# Altium PCB systems_pcb.PcbDoc (part 1 of 2) (continued)
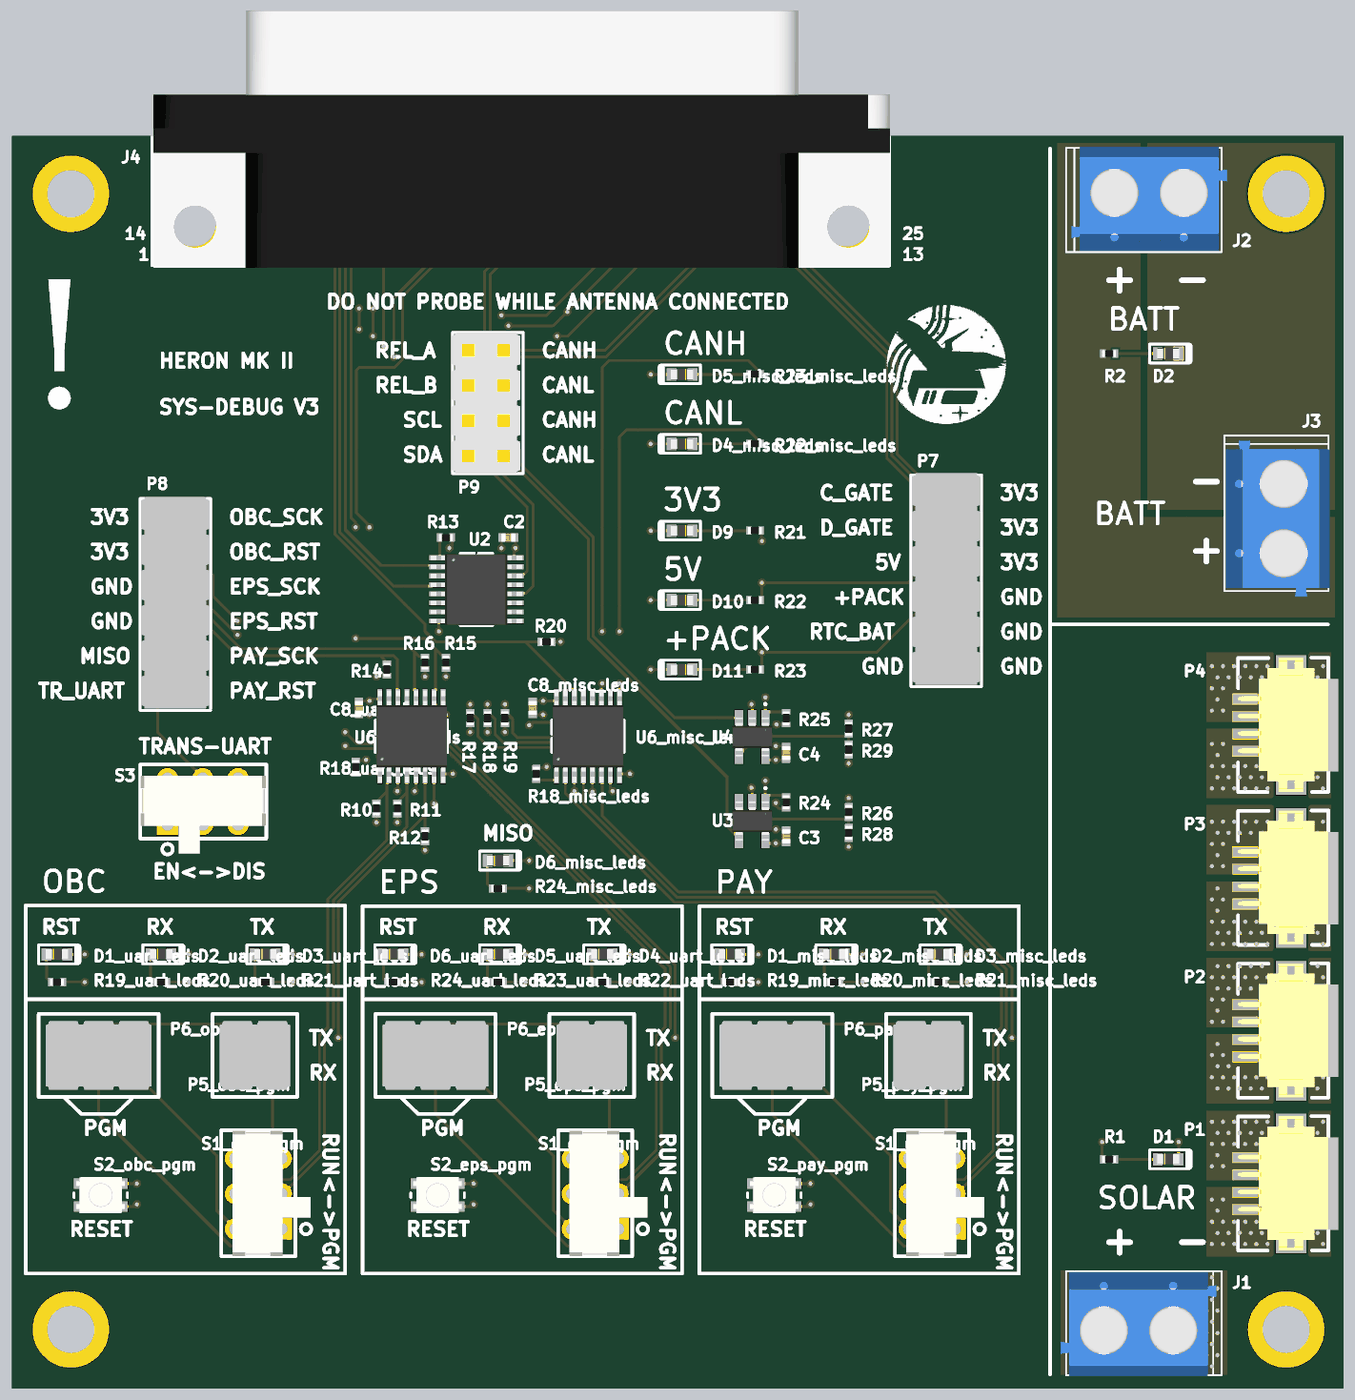
[diagram p5: 3D render of the assembled board from above, using the file's embedded part models]

## Layer stack, top to bottom
Top Solder: solder mask 0.0102, Solder Resist, Dk 3.5
TOP: signal copper 0.0356
Dielectric 1: core 0.254, FR-4, Dk 4.2
GND: signal copper 0.036
Dielectric 3: prepreg 0.127, Dk 4.2
VCC: signal copper 0.036
Dielectric 2: core 0.254, Dk 4.2
BOT: signal copper 0.0356
Bottom Solder: solder mask 0.0102, Solder Resist, Dk 3.5

## Board outline
0,0 95.885,0 95.885,90.17 0,90.17

## Design rules (kind name [scope] priority, off if disabled: settings)
AssemblyTestPointUsage [All] p1 off:
AssemblyTestpoint [All] p1 off: testpointundercomponent=TRUE minsize=1.016 maxsize=2.54 preferedsize=1.524 minholesize=0 maxholesize=1.016 preferedholesize=0.813 testpointgrid=0.025 usegrid=TRUE gridtolerance=0 allowsidetop=TRUE allowsidebottom=TRUE
BoardOutlineClearance [All] p1: gap=0.5 ignorepadtopadclearanceinfootprint=FALSE
Clearance Component_Clearance [IsComponent vs IsComponent] p1: gap=0.254 ignorepadtopadclearanceinfootprint=FALSE
Clearance [All] p2: gap=0.152 ignorepadtopadclearanceinfootprint=TRUE
FabricationTestPointUsage [All] p1 off: valid=0 allowmultiple=FALSE
FabricationTestpoint [All] p1 off: side=3 testpointundercomponent=FALSE minsize=1.016 maxsize=2.54 preferedsize=1.524 minholesize=0 maxholesize=1.016 preferedholesize=0.813 testpointgrid=0.025 allowsidetop=TRUE allowsidebottom=TRUE usegrid=TRUE gridtolerance=0
HoleSize [All] p1: absolutevalues=TRUE maxlimit=6.3 minlimit=0.3 maxpercent=80.000 minpercent=20.000
HoleToHoleClearance [All] p1: gap=0.2 allowstackedmicrovias=FALSE
MinimumAnnularRing [All] p1: minimumring=0.15
MinimumSolderMaskSliver [All] p1: minsoldermaskwidth=0.1
PlaneClearance [All] p1: clearance=0.381
PlaneConnect [All] p1: planeconnectstyle=Direct reliefexpansion=0.508 reliefentries=4 reliefconductorwidth=0.254 reliefairgap=0.254
PolygonConnect [All] p1: connectstyle=Direct reliefconductorwidth=0.254 reliefentries=4 polygonreliefangle="90 Angle" airgapwidth=0.254
RoomDefinition obc_pgm [InComponentClass('obc_pgm')] p1: confinementstyle=ConfineIn formatcopy=TRUE lockcomponents=FALSE outline 0,8 24.25,8 24.25,28.25 0,28.25
RoomDefinition eps_pgm [InComponentClass('eps_pgm')] p2: confinementstyle=ConfineIn formatcopy=TRUE lockcomponents=FALSE outline 24.25,8 48.5,8 48.5,28.25 24.25,28.25
RoomDefinition pay_pgm [InComponentClass('pay_pgm')] p3: confinementstyle=ConfineIn formatcopy=TRUE lockcomponents=FALSE outline 48.5,8 72.75,8 72.75,28.25 48.5,28.25
RoutingVias [All] p1: holewidth=0.3 width=0.6 viastyle="Through Hole" minholewidth=0.2 minwidth=0.6 maxholewidth=6.3 maxwidth=10 useviatemplates=TRUE viatemplateguid#1={C38BF27A-4E37-4AD1-9443-A827E1A18062} viatemplatename#1=v60h30m0mx0(Tol8-8)
SilkToSilkClearance [All] p1: silktosilkclearance=0
SilkToSolderMaskClearance [IsPad] p1: minsilkscreentomaskgap=0.2 clearancetoexposedcopper=TRUE
SolderMaskExpansion [All] p1: expansion=0.051
UnConnectedPin [All] p1:
UnRoutedNet [All] p1: checkbadconnections=TRUE
Width [All] p1: maxlimit=25.4 minlimit=0.152 preferedwidth=0.2
18 further rules are at their usual default settings.

## Classes and differential pairs
component class can_comp: C3 C4 R24 R25 R26 R27 R28 R29 U3 U4
channel class led-monitoring-SN74HC365PW: misc_leds uart_leds
channel class programming: eps_pgm obc_pgm pay_pgm
component class pay_pgm: P5_pay_pgm P6_pay_pgm P7_pay_pgm P9_pay_pgm S1_pay_pgm S2_pay_pgm S3_pay_pgm
component class obc_pgm: P5_obc_pgm P6_obc_pgm P7_obc_pgm P9_obc_pgm S1_obc_pgm S2_obc_pgm S3_obc_pgm
component class eps_pgm: P5_eps_pgm P6_eps_pgm P7_eps_pgm P9_eps_pgm S1_eps_pgm S2_eps_pgm S3_eps_pgm
component class uart_leds: B1_U_buffered_leds_uart C1_uart_leds C8_uart_leds D1_uart_leds D2_U_buffered_leds_uart D2_uart_leds D3_uart_leds D4_U_buffered_leds_uart D4_uart_leds D5_uart_leds D6_U_buffered_leds_uart D6_uart_leds D7_uart_leds D8_U_buffered_leds_uart D8_uart_leds D9_U_buffered_leds_uart D9_uart_leds D10_U_buffered_leds_uart R4_uart_leds R5_uart_leds R6_uart_leds R7_uart_leds R8_uart_leds R9_uart_leds R10_uart_leds R18_uart_leds R19_uart_leds R20_uart_leds R21_uart_leds R22_uart_leds R23_uart_leds R24_uart_leds U1_uart_leds U6_uart_leds
component class misc_leds: B1_U_buffered_leds_other C1_misc_leds C8_misc_leds D1_misc_leds D2_misc_leds D2_U_buffered_leds_other D3_misc_leds D4_misc_leds D4_U_buffered_leds_other D5_misc_leds D6_misc_leds D6_U_buffered_leds_other D7_misc_leds D8_misc_leds D8_U_buffered_leds_other D9_misc_leds D9_U_buffered_leds_other D10_U_buffered_leds_other R4_misc_leds R5_misc_leds R6_misc_leds R7_misc_leds R8_misc_leds R9_misc_leds R10_misc_leds R18_misc_leds R19_misc_leds R20_misc_leds R21_misc_leds R22_misc_leds R23_misc_leds R24_misc_leds U1_misc_leds U6_misc_leds
component class eps_pwr: D1 D2 D18 J1 J2 J3 P1 P2 P3 P4 R1 R2
component class systems_pcb: C2 D9 D10 D11 J4 P7 P8 P9 R10 R11 R12 R13 R14 R15 R16 R17 R18 R19 R20 R21 R22 R23 S3 U2

## Components (designator, comment, footprint, x,y, rotation, side; value= is the part's Value field where it differs from the comment)
C2 "0402" CAP0402R 35.75,61.25 r0 top value=0.1uF
C3 "0402" CAP0402R 55.75,39.75 r270 top value=0.1uF
C4 "0402" CAP0402R 55.75,45.75 r270 top value=0.1uF
C8_misc_leds "0402" CAP0402R 37.5,49 r90 top value=0.1uF (schematic designator C8)
C8_uart_leds "0402" CAP0402R 25,49 r90 top value=0.1uF (schematic designator C8)
D1 "LED0603" LED0603 83.25,16.5 r0 top
D1_misc_leds "LED0603" LED0603 51.71,31.25 r0 top (schematic designator D1)
D1_uart_leds "LED0603" LED0603 3.25,31.25 r0 top (schematic designator D1)
D2 "LED0603" LED0603 83.25,74.5 r0 top
D2_misc_leds "LED0603" LED0603 59.21,31.25 r0 top (schematic designator D2)
D2_uart_leds "LED0603" LED0603 10.75,31.25 r0 top (schematic designator D2)
D3_misc_leds "LED0603" LED0603 66.71,31.25 r0 top (schematic designator D3)
D3_uart_leds "LED0603" LED0603 18.25,31.25 r0 top (schematic designator D3)
D4_misc_leds "LED0603" LED0603 48.25,68 r180 top (schematic designator D4)
D4_uart_leds "LED0603" LED0603 42.5,31.25 r0 top (schematic designator D4)
D5_misc_leds "LED0603" LED0603 48.25,73 r180 top (schematic designator D5)
D5_uart_leds "LED0603" LED0603 35,31.25 r0 top (schematic designator D5)
D6_misc_leds "LED0603" LED0603 35,38 r0 top (schematic designator D6)
D6_uart_leds "LED0603" LED0603 27.45,31.25 r0 top (schematic designator D6)
D9 "LED0603" LED0603 48.25,61.75 r180 top
D10 "LED0603" LED0603 48.25,56.75 r180 top
D11 "LED0603" LED0603 48.25,51.75 r180 top
J1 "691102710002" CON2_SCREW_5.00MM_691102710002 81.5,4.25 r0 top
J2 "691102710002" CON2_SCREW_5.00MM_691102710002 81.5,86 r180 top
J3 "691102710002" CON2_SCREW_5.00MM_691102710002 91.5,63 r90 top
J4 "D-SUB-25POS" D-SUB-25POS 36.586,93.33 r0 top locked
P1 "DF13A-4P-1.25H(51)" DF13A-4P-1.25H(51) 90.75,16 r270 top
P2 "DF13A-4P-1.25H(51)" DF13A-4P-1.25H(51) 90.75,27 r270 top
P3 "DF13A-4P-1.25H(51)" DF13A-4P-1.25H(51) 90.75,38 r270 top
P4 "DF13A-4P-1.25H(51)" DF13A-4P-1.25H(51) 90.75,49 r270 top
P5_eps_pgm "SLW-102-01-G-D" SLW-102-01-X-D 41.75,23.98 r180 top (schematic designator P5)
P5_obc_pgm "SLW-102-01-G-D" SLW-102-01-X-D 17.5,23.98 r180 top (schematic designator P5)
P5_pay_pgm "SLW-102-01-G-D" SLW-102-01-X-D 66,23.98 r180 top (schematic designator P5)
P6_eps_pgm "SLW-103-01-G-D" SLW-103-01-X-D 30.5,23.98 r180 top (schematic designator P6)
P6_obc_pgm "SLW-103-01-G-D" SLW-103-01-X-D 6.25,23.98 r180 top (schematic designator P6)
P6_pay_pgm "SLW-103-01-G-D" SLW-103-01-X-D 54.75,23.98 r180 top (schematic designator P6)
P7 "SLW-106-01-G-D" SLW-106-01-X-D 66,64.5 r270 top
P8 "SLW-106-01-G-D" SLW-106-01-X-D 10.504,62.79 r270 top
P9 "SLW-104-01-G-D" SLW-104-01-X-D 33,74.75 r270 top
R1 "0402" RES0402R 79,16.5 r0 top value=330
R2 "0402" RES0402R 79,74.5 r180 top value=330
R10 "0402" RES0402R 26.25,41.75 r270 top value=51K
R11 "0402" RES0402R 27.75,41.75 r90 top value=51K
R12 "0402" RES0402R 29.75,39.75 r90 top value=51K
R13 "0402" RES0402R 31.25,61.25 r180 top value=10K
R14 "0402" RES0402R 27,51.75 r270 top value=51K
R15 "0402" RES0402R 31.25,52.25 r90 top value=51K
R16 "0402" RES0402R 29.75,52.25 r90 top value=51K
R17 "0402" RES0402R 33,48.25 r270 top value=51K
R18 "0402" RES0402R 34.25,48.25 r90 top value=51K
R18_misc_leds "0402" RES0402R 37.75,44.25 r270 top value=10K (schematic designator R18)
R18_uart_leds "0402" RES0402R 24.75,44.75 r270 top value=10K (schematic designator R18)
R19 "0402" RES0402R 35.5,48.25 r90 top value=51K
R19_misc_leds "0402" RES0402R 51.71,29.25 r0 top value=330 (schematic designator R19)
R19_uart_leds "0402" RES0402R 3.25,29.25 r0 top value=330 (schematic designator R19)
R20 "0402" RES0402R 38.5,53.75 r180 top value=51K
R20_misc_leds "0402" RES0402R 59.21,29.25 r0 top value=330 (schematic designator R20)
R20_uart_leds "0402" RES0402R 10.75,29.25 r0 top value=330 (schematic designator R20)
R21 "0402" RES0402R 53.5,61.75 r0 top value=330
R21_misc_leds "0402" RES0402R 66.71,29.25 r0 top value=330 (schematic designator R21)
R21_uart_leds "0402" RES0402R 18.25,29.25 r0 top value=330 (schematic designator R21)
R22 "0402" RES0402R 53.5,56.75 r0 top value=470
R22_misc_leds "0402" RES0402R 53.5,68 r0 top value=330 (schematic designator R22)
R22_uart_leds "0402" RES0402R 42.5,29.25 r0 top value=330 (schematic designator R22)
R23 "0402" RES0402R 53.5,51.75 r0 top value=470
R23_misc_leds "0402" RES0402R 53.5,73 r0 top value=330 (schematic designator R23)
R23_uart_leds "0402" RES0402R 35,29.25 r0 top value=330 (schematic designator R23)
R24 "0402" RES0402R 55.75,42.2 r270 top value=10K
R24_misc_leds "0402" RES0402R 35,36 r0 top value=330 (schematic designator R24)
R24_uart_leds "0402" RES0402R 27.45,29.25 r0 top value=330 (schematic designator R24)
R25 "0402" RES0402R 55.75,48.25 r270 top value=10K
R26 "0402" RES0402R 60.25,41.5 r90 top value=10K
R27 "0402" RES0402R 60.25,47.5 r90 top value=10K
R28 "0402" RES0402R 60.25,40 r90 top value=10K
R29 "0402" RES0402R 60.25,46 r90 top value=33K
S1_eps_pgm "DPDT" "JS202011AQN - Slide Switch" 42,14.02 r180 top (schematic designator S1)
S1_obc_pgm "DPDT" "JS202011AQN - Slide Switch" 17.75,14.02 r180 top (schematic designator S1)
S1_pay_pgm "DPDT" "JS202011AQN - Slide Switch" 66.25,14.02 r180 top (schematic designator S1)
S2_eps_pgm "SW-PB" "PTS830GM140 SMTR LFS - Pushbutton" 30.65,13.925 r0 top (schematic designator S2)
S2_obc_pgm "SW-PB" "PTS830GM140 SMTR LFS - Pushbutton" 6.4,13.925 r0 top (schematic designator S2)
S2_pay_pgm "SW-PB" "PTS830GM140 SMTR LFS - Pushbutton" 54.9,13.925 r0 top (schematic designator S2)
S3 "DPDT" "JS202011AQN - Slide Switch" 13.75,42.25 r90 top
U2 "SN74HC365PW" SOP65P640X120-16N 30.75,59.8 r0 top
U3 "MCP6546" SOT95P290X160-5N 54.25,42.25 r270 top
U4 "MCP6546" SOT95P290X160-5N 54.25,48.3 r270 top
U6_misc_leds "SN74HC365PW" SOP65P640X120-16N 39.2,44.25 r90 top (schematic designator U6)
U6_uart_leds "SN74HC365PW" SOP65P640X120-16N 26.5,44.25 r90 top (schematic designator U6)

## Footprints (in the part's own frame and the unit in brackets; to place one, negate y for a bottom-side part, rotate by r counter-clockwise, add the part's x,y. Pads: shape width x height; smd on the part's side, far side on the other; paste and mask are expansions set on the pad)
CAP0402R [mm] "Capacitor 0402 reflow soldering"
  rect 0.45x0.6 smd mask+0: 1(-0.5,0) 2(0.5,0)
  body extent -0.5,-0.3 0.5,0.3, height 0.2
CON2_SCREW_5.00MM_691102710002 [mm] "2-Pos Screw terminal 5mm pitch"
  round 1.95 hole 1.3: 1(-2.5,0) 2(2.5,0)
  silkscreen extent -5.6,-3.3 5.6,4.2, body extent -5.98,-3.37 5.22,6.6, height 10.03
D-SUB-25POS [mm]
  rect 1.69x1.69 hole 1.09: 1(-16.566,-10.92)
  round 1.69 hole 1.09: 2(-13.805,-10.92) 3(-11.044,-10.92) 4(-8.283,-10.92) 5(-5.522,-10.92) 6(-2.761,-10.92) 7(0,-10.92) 8(2.761,-10.92) 9(5.522,-10.92) 10(8.283,-10.92) 11(11.044,-10.92) 12(13.805,-10.92) 13(16.566,-10.92) 14(-15.185,-8.08) 15(-12.424,-8.08) 16(-9.663,-8.08) 17(-6.902,-8.08) 18(-4.141,-8.08) 19(-1.38,-8.08) 20(1.381,-8.08) 21(4.142,-8.08) 22(6.903,-8.08) 23(9.664,-8.08) 24(12.425,-8.08) 25(15.186,-8.08)
  round 4.76 hole 3.26: 26(-23.526,-9.5) 27(23.526,-9.5)
  silkscreen extent -26.5,-12.5 26.6,6, body extent -26.39,-12.65 26.64,5.84, height 12.55
DF13A-4P-1.25H(51) [mm] "4 pos, 1.25mm pitch DF13 connector (H125779CT-ND)"
  rect 0.7x1.8 smd: 1(-0.625,-1.956) 2(0.625,-1.956) 3(1.875,-1.956) 4(3.125,-1.956)
  rect 1.6x2.2 smd: ""(-2.975,1.344) ""(5.475,1.344)
  silkscreen extent -3.61,-2.46 6.06,4.04, body extent -3.61,-2.46 6.04,4.75, height 3.58
"JS202011AQN - Slide Switch" [mil]
  rect 60x60 hole 35: 1(-65,100)
  round 60 hole 35: 2(-65,0) 3(-65,-100) 4(65,100) 5(65,0) 6(65,-100)
  silkscreen extent -150,-180 105,177, body extent -148,-178 128,176, height 139
LED0603 [mm] "0603 LED footprint, thick line on the cathode"
  rect 0.7x0.9 smd: 1(-0.75,0) 2(0.75,0)
  silkscreen extent -1.32,-0.67 1.52,0.67, body extent -0.8,-0.4 0.8,0.4, height 0.71
"PTS830GM140 SMTR LFS - Pushbutton" [mm] "Low profile pushbutton"
  rect 0.7x0.75 smd: 1(-1.6,0.825) 1(1.6,0.825) 2(-1.6,-0.825) 2(1.6,-0.825)
  silkscreen extent -1.92,-1.17 1.92,1.15, body extent -1.75,-1.3 1.75,1.3, height 1.4
RES0402R [mm] "resistor 0402 reflow soldering"
  rect 0.4x0.6 smd mask+0: 1(-0.45,0) 2(0.45,0)
  body extent -0.5,-0.25 0.5,0.25, height 0.3
SLW-102-01-X-D [mil] "CONN RCPT 4POS 0.1 GOLD PCB"
  rect 50x50 hole 34: 1(50,50)
  round 50 hole 34: 2(50,-50) 3(-50,50) 4(-50,-50)
  silkscreen extent -120,-118 120,118, body extent -100,-97 100,98, height 180
SLW-103-01-X-D [mil] "CONN RCPT 6POS 0.1 GOLD PCB"
  rect 50x50 hole 34: 1(100,50)
  round 50 hole 34: 2(100,-50) 3(0,50) 4(0,-50) 5(-100,50) 6(-100,-50)
  silkscreen extent -170,-118 170,118, body extent -150,-97 150,98, height 180
SLW-104-01-X-D [mm]
  rect 1.5x1.5 hole 0.9: 1(0,0)
  round 1.5 hole 0.9: 2(0,2.54) 3(2.54,0) 4(2.54,2.54) 5(5.08,0) 6(5.08,2.54) 7(7.62,0) 8(7.62,2.54)
  silkscreen extent -1.27,-1.27 8.89,3.81, body extent -1.27,-1.33 8.89,3.62, height 4.57
SLW-106-01-X-D [mm]
  rect 1.5x1.5 hole 0.9: 1(0,0)
  round 1.5 hole 0.9: 2(0,2.54) 3(2.54,0) 4(2.54,2.54) 5(5.08,0) 6(5.08,2.54) 7(7.62,0) 8(7.62,2.54) 9(10.16,0) 10(10.16,2.54) 11(12.7,0) 12(12.7,2.54)
  silkscreen extent -1.27,-1.27 13.97,3.81, body extent -1.4,-1.21 13.84,3.75, height 4.57
SOP65P640X120-16N [mm] "SOP + Pitch P + Lead Span Nominal X Height - #Pins"
  rect 1.4x0.35 smd: 1(0,0) 2(0,-0.65) 3(0,-1.3) 4(0,-1.95) 5(0,-2.6) 6(0,-3.25) 7(0,-3.9) 8(0,-4.55) 9(5.4,-4.55) 10(5.4,-3.9) 11(5.4,-3.25) 12(5.4,-2.6) 13(5.4,-1.95) 14(5.4,-1.3) 15(5.4,-0.65) 16(5.4,0)
  silkscreen extent 1.53,-4.88 3.87,0.33, body extent -0.61,-4.84 5.99,0.27, height 1.2
SOT95P290X160-5N [mm] "SOT + Pitch P + Nominal Lead Length X Height - #Pins"
  rect 1.1x0.6 smd: 1(0,0) 2(0,-0.95) 3(0,-1.9) 4(2.8,-1.9) 5(2.8,0)
  silkscreen extent -0.99,-2.16 1.96,0.25, body extent 0,-2.39 2.79,0.51, height 0.99

## Part data
C2 C8_misc_leds C8_uart_leds: library part CAP0402, "0402 capacitor", Capacitance=100nF, Case Code (Metric)=1005, Dielectric=X7R, Manufacturer="Taiyo Yuden", Manufacturer Part Number=EMK105B7104KVHF, Max Operating Temperature=125°C, Min Operating Temperature=-55°C, Package Quantity=10000, Ratings=AEC-Q200, Supplier Part Number 1=587-3807-1-ND, Tolerance=10%, Voltage Rating=16V, Case/Package=0402, Case Code (Imperial)=0402, Halogen Free="Halogen Free", Height=0.5mm, Lead Free="Lead Free", Length=0.039inch, Mount="Surface Mount", Packaging="Tape and Reel", Pricing 1="1=0.1, 10=0.057, 100=0.0254, 500=0.01812, 1000=0.01423, 2500=0.01294, 5000=0.0119 (USD)", Stock 1=18196, Supplier 1=Digi-Key, Termination=SMD/SMT, Thickness=0.022inch, Voltage Rating (DC)=16V, Weight=2.3E-05oz, Width=0.02inch
C3 C4: library part CAP0402, "0402 capacitor"
D1 D1_misc_leds D1_uart_leds D2 D2_misc_leds D2_uart_leds D3_misc_leds D3_uart_leds D4_misc_leds D4_uart_leds D5_misc_leds D5_uart_leds D6_misc_leds D6_uart_leds D9 D10 D11: "Generic 0603 LED. Use ChipLED from Osram for generic ones."
J1 J2 J3: "2-POS screw terminal, 5mm pitch", Supplier Part Number 1=732-2028-ND, Supplier 1=Digi-Key
J4: "CONN D-SUB PLUG 25POS R/A SOLDER", Supplier Part Number 1=182-25ME-ND, ComponentLink1Description=Datasheet, ComponentLink1URL=https://www.norcomp.net/rohspdfs/Connectors/18Y/182/182-yyy-113Ryy1.pdf, Supplier 1=Digi-Key
P1 P2 P3 P4: "4 pos DF13 right angle surface mount connector", Supplier Part Number 1=H125779CT-ND, Supplier 1=Digi-Key
P5_eps_pgm P5_obc_pgm P5_pay_pgm: "4 pos 100mil pitch low profile header", Supplier Part Number 1=SAM1088-02-ND, Supplier 1=Digi-Key
P6_eps_pgm P6_obc_pgm P6_pay_pgm: "6 pos 100mil pitch low profile header", Supplier Part Number 1=SAM1088-03-ND, Supplier 1=Digi-Key
P7 P8: "CONN RCPT 12POS 0.1 GOLD PCB", Supplier Part Number 1=SAM1088-06-ND, Supplier 1=Digi-Key
P9: "CONN RCPT 8POS 0.1 GOLD PCB", Supplier Part Number 1=SAM1088-04-ND, ComponentLink1Description="Series Datasheet", ComponentLink1URL=http://suddendocs.samtec.com/prints/slw-1xx-01-x-x-mkt.pdf, Supplier 1=Digi-Key
R1 R2 R10 R11 R12 R14 R15 R16 R17 R18 R19 R20 R21 R22 R23 R24 R25 R26 R27 R28 R29: library part RES0402, "0402 resistor"
R13 R18_misc_leds R18_uart_leds: library part RES0402, "0402 resistor", Case Code (Metric)=1005, Manufacturer=Panasonic, Manufacturer Part Number=ERJ-2RKF1002X, Max Operating Temperature=155°C, Max Power Dissipation=100mW, Min Operating Temperature=-55°C, Package Quantity=1, Resistance=10kR, Supplier Part Number 1=P10.0KLCT-ND, Temperature Coefficient=100ppm/°C, Tolerance=1%, Voltage Rating=50V, Case/Package=0402, Case Code (Imperial)=0402, ComponentLink1Description=http://industrial.panasonic.com/www-data/pdf/AOA0000/AOA0000CE2.pdf?src-supplier=Future+Electronics, ComponentLink1URL=http://industrial.panasonic.com/www-data/pdf/AOA0000/AOA0000CE2.pdf?src-supplier=Future+Electronics, ComponentLink2Description=http://industrial.panasonic.com/www-data/pdf/AOA0000/AOA0000CE2.pdf?src-supplier=Avnet+Europe, ComponentLink2URL=http://industrial.panasonic.com/www-data/pdf/AOA0000/AOA0000CE2.pdf?src-supplier=Avnet+Europe, ComponentLink3Description=https://industrial.panasonic.com/cdbs/www-data/pdf/RDA0000/DMA0000COL11.pdf?src-supplier=Mouser, ComponentLink3URL=https://industrial.panasonic.com/cdbs/www-data/pdf/RDA0000/DMA0000COL11.pdf?src-supplier=Mouser, ComponentLink4Description=http://www.farnell.com/datasheets/1678782.pdf?src-supplier=Element14, ComponentLink4URL=http://www.farnell.com/datasheets/1678782.pdf?src-supplier=Element14, ComponentLink5Description=http://www.farnell.com/datasheets/1911175.pdf?src-supplier=Farnell, ComponentLink5URL=http://www.farnell.com/datasheets/1911175.pdf?src-supplier=Farnell, ComponentLink6Description=http://www.jameco.com/Jameco/Products/ProdDS/1987020.pdf?src-supplier=Jameco, ComponentLink6URL=http://www.jameco.com/Jameco/Products/ProdDS/1987020.pdf?src-supplier=Jameco, ComponentLink7Description=http://industrial.panasonic.com/www-data/pdf/AOA0000/AOA0000CE2.pdf?src-supplier=Avnet, ComponentLink7URL=http://industrial.panasonic.com/www-data/pdf/AOA0000/AOA0000CE2.pdf?src-supplier=Avnet, ComponentLink8Description=http://www.alliedelec.com/m/d/623f45ff1957d936ff56d46fd1c28cac.pdf?src-supplier=Allied+Electronics, ComponentLink8URL=http://www.alliedelec.com/m/d/623f45ff1957d936ff56d46fd1c28cac.pdf?src-supplier=Allied+Electronics, Composition="Thick Film", Contact Plating=Tin, Depth=0.5mm, Features="Automotive AEC-Q200", Height=0.35mm, Lead Free="Lead Free", Length=1mm, Military Standard=Not, Mount="Surface Mount", Number of Pins=2, Number of Terminations=2, Packaging="Tape and Reel", Power Rating=100mW, Pricing 1="1=0.1, 10=0.045, 100=0.0183, 1000=0.00823, 2500=0.00715, 5000=0.0059 (USD)", Radiation Hardening=No, REACH SVHC="No SVHC", Stock 1=14350001, Supplier 1=Digi-Key, Termination=SMD/SMT, Voltage Rating (DC)=50V, Width=0.02inch
R19_misc_leds R19_uart_leds R20_misc_leds R20_uart_leds R21_misc_leds R21_uart_leds R22_misc_leds R22_uart_leds R23_misc_leds R23_uart_leds R24_misc_leds R24_uart_leds: library part RES0402, "0402 resistor", Case Code (Metric)=1005, Manufacturer="TE Connectivity", Manufacturer Part Number=CRGCQ0402F330R, Max Operating Temperature=155°C, Max Power Dissipation=63mW, Min Operating Temperature=-55°C, Resistance=330R, Supplier Part Number 1=A129621CT-ND, Temperature Coefficient=100ppm/°C, Tolerance=1%, Case/Package=0402, Case Code (Imperial)=0402, Composition="Thick Film", Features="Moisture Resistant,Automotive AEC-Q200", Number of Terminations=2, Packaging="Tape and Reel", Pricing 1="1=0.1, 10=0.022, 100=0.009, 1000=0.00406, 2500=0.00352, 5000=0.00291 (USD)", Stock 1=224275, Supplier 1=Digi-Key
S1_eps_pgm S1_obc_pgm S1_pay_pgm S3: library part "DPDT Switch", "DPDT Switch, customized for the pinout of the JS202011AQN switch.", Supplier Part Number 1=401-2000-ND, Supplier 1=Digi-Key
S2_eps_pgm S2_obc_pgm S2_pay_pgm: library part "Pushbutton - Low Profile", "Schematic symbol for a generic 2-pin pushbutton, OFF-mom.", Supplier Part Number 1=CKN10587CT-ND, Supplier 1=Digi-Key
U2 U6_misc_leds U6_uart_leds: "Hex non-inverting buffer with 3-state outputs", Supplier Part Number 1=296-33932-5-ND, Supplier 1=Digi-Key
U3 U4: "Open-drain output sub-microamp comparator.", Supplier Part Number 1=MCP6546T-E/OTCT-ND, Supplier 1=Digi-Key

## Free pads (board coordinates)
  round 5.5 hole 3.4 unplated: ""(4.25,4.25) ""(4.25,86) ""(91.75,4.25) ""(91.75,86)

## Via types
v1: diameter 0.6, hole 0.3, TOP to BOT, tented both sides, 509 vias

## Nets (pads, with @x,y where several pads share a name; then routed paths per layer and width w, separated by ;. In a path a pad name is that pad's centre, name@x,y a point inside that pad or via, vN(x,y) a via of type N, cw(c..) or ccw(c..) an arc to the next point about the centre after c; other vN are vias at no path point)
5V: J4.22 P7.5 R22.2 | length 50.5
  TOP w0.2: R22.2@54,56.75 v1(54,58) 64.5,58 P7.5@66,59.5
  BOT w0.2: J4.22@43.489,85.25 43.602,85.137 43.602,81.898 45.25,80.25 45.25,58.25 45.489,58.011 53.989,58.011 v1(54,58)
+PACK: J4.24 P7.7 R23.2 | length 64.8
  TOP w0.2: R23.2@54,51.75 v1(54,53) 62.25,53 P7.7@66,56.75
  BOT w0.2: J4.24@49.011,85.25 47.802,85.25 46.705,86.347 43.034,86.347 42.392,85.705 42.392,84.608 43.25,83.75 43.25,81.752 44.898,80.104 44.898,53.352 45.25,53 v1(54,53)
ANT_I2C_SCL: J4.15 U2.2 | length 30.9
  TOP w0.2: J4.15@24.162,85.25 24.312,85.1 24.312,81.776 24.014,81.478 24.014,61.811 26.575,59.25 U2.2@30.25,59.25
ANT_I2C_SCL_BUF: P9.5 U2.3 | length 13
  TOP w0.2: U2.3@30.75,58.5 v1(32.25,58.5)
  BOT w0.2: v1(32.25,58.5) 32.25,66.424 31.971,66.704 31.971,68.471 P9.5@33,69.5
ANT_I2C_SDA: J4.14 U2.4 | length 33.1
  TOP w0.2: J4.14@21.401,85.25 21.532,85.25 23.906,82.876 23.906,81.944 23.608,81.646 23.608,61.642 27.486,57.764 30.236,57.764 U2.4@30.25,57.75
ANT_I2C_SDA_BUF: P9.7 U2.5 | length 11.5
  TOP w0.2: U2.5@31,57.25 v1(32.25,57.25)
  BOT w0.2: v1(32.25,57.25) 32.25,57.75 32.448,57.948 32.479,57.948 33,58.469 P9.7@33,67.13
ANT_REL_A_3V3: J4.18 U2.14 | length 29.7
  TOP w0.2: J4.18@32.445,85.25 32.576,85.25 34.95,82.876 34.95,81.286 34.029,80.365 34.029,66.529 37.102,63.456 37.102,58.852 U2.14@36.75,58.5
ANT_REL_A_3V3_BUF: P9.1 U2.13 | length 19.1
  TOP w0.2: v1(34.7,58) 34.85,57.85 U2.13@36.15,57.85
  BOT w0.2: P9.1@33,74.75 33.75,74 33.75,72.916 34.029,72.636 34.029,71.784 34,71.754 34,70.701 34.436,70.265 34.436,69.064 34.511,68.989 34.511,66.704 34.5,66.693 34.5,58.25 v1@34.75,58 ; v1@34.671,58.029 v1(34.7,58)
ANT_REL_B_3V3: J4.19 U2.12 | length 30.2
  TOP w0.2: J4.19@35.206,85.25 35.356,85.1 35.356,81.117 34.436,80.197 34.436,66.698 37.536,63.598 37.536,57.786 37,57.25 U2.12@36.75,57.25
ANT_REL_B_3V3_BUF: P9.3 U2.11 | length 17.9
  TOP w0.2: v1(34.55,56.7) 34.55,56.55 U2.11@36.15,56.55
  BOT w0.2: P9.3@33,72.25 P9.3@33,72.21 33,71.126 34.029,70.096 34.029,57.721 34.5,57.25 v1@34.5,56.75
BATT+: J2.2 J3.1 R2.2
BATT-: D2.2 J2.1 J3.2
BUF_EN_misc_leds_N: R18_misc_leds.2 U6_misc_leds.1 U6_misc_leds.15 | length 7
  TOP w0.2: R18_misc_leds.2@37.75,43.8 39.2,43.8 U6_misc_leds.1@39.25,43.75 ; U6_misc_leds.1@39.2,44.25 39.2,45.45 v1(39.25,45.5) ; v1(39.85,48.6) U6_misc_leds.15@39.85,49.65
  BOT w0.2: v1(39.25,45.5) 39.25,48 v1@39.75,48.5
BUF_EN_N: R13.2 U2.1 U2.15 | length 6.7
  TOP w0.2: U2.1@30.75,59.75 30.8,59.8 R13.2@30.8,61.25 ; U2.1@31.25,59.75 32,59.75 32.6,59.15 U2.15@36.15,59.15
BUF_EN_uart_leds_N: R18_uart_leds.2 U6_uart_leds.1 U6_uart_leds.15 | length 7.6
  TOP w0.2: R18_uart_leds.2@24.75,44.25 U6_uart_leds.1@26.5,44.25 v1(26.5,45.5) ; v1(27,48.5) 27.05,48.5 27.15,48.4 U6_uart_leds.15@27.15,49.65
  BOT w0.2: v1(26.5,45.5) 26.5,48 v1(27,48.5)
C_GATE: J4.16 P7.1 | length 53.8
  TOP w0.2: J4.16@27,85.25 28.5,86.75 49.561,86.75 50.461,85.851 50.461,84.539 50.847,84.153 53.5,84.153 63.352,74.3 63.352,67.148 P7.1@66,64.5
CANH: J4.12 P9.2 P9.6 U4.3 | length 55.1
  TOP w0.2: P9.6@35.54,69.67 35.54,68.586 36.569,67.556 36.569,66.599 41.852,61.316 41.852,54.148 42.102,53.898 47.7,48.3 U4.3@52.35,48.3 ; P9.2@35.75,74.75 42.731,74.75 J4.12@50.391,82.41
  BOT w0.2: P9.6@35.5,69.75 35.54,69.79 34.842,69.79 34.842,70.433 34.511,70.765 34.511,72.636 35.54,73.666 P9.2@35.54,74.75
CANH_LED_EN: R25.1 U4.1 U6_misc_leds.12 | length 16.3
  TOP w0.2: U6_misc_leds.12@41.75,49.25 41.75,48.75 v1(42,48.5) ; v1(54.25,49.75) 54.25,48.75 54.3,48.7 R25.1@55.75,48.7
  BOT w0.2: v1(42,48.5) 51.719,48.5 53.219,50 54,50 v1(54.25,49.75)
CANH_REF: R27.1 R29.2 U4.4 | length 8.8
  TOP w0.2: U4.4@52.5,45.75 53.698,46.948 60.148,46.948 R27.1@60.25,47.05 R29.2@60.25,46.5
CANL: J4.13 P9.4 P9.8 U3.4 | length 63.2
  TOP w0.2: P9.4@35.5,72.25 35.5,73.25 36.5,74.25 42.75,74.25 49.813,81.313 50.846,81.313 51.943,82.41 J4.13@53.152,82.41 ; P9.8@35.54,67.13 41.5,61.17 41.5,54 51.5,44 51.5,40.5 U3.4@52.25,39.75
  BOT w0.2: P9.8@35.5,67.25 35.54,67.29 36.569,67.29 36.569,70.096 35.54,71.126 P9.4@35.54,72.21
CANL_LED_EN: R24.1 U3.1 U6_misc_leds.10 | length 17.3
  TOP w0.2: v1(43,47.75) U6_misc_leds.10@43,49 ; v1(54.25,43.75) 54.25,42.5 54.45,42.7 R24.1@55.75,42.7
  BOT w0.2: v1(43,47.75) 43,47.25 46.25,44 54,44 v1(54.25,43.75)
CANL_REF: R26.1 R28.2 U3.3 | length 9.1
  TOP w0.2: U3.3@52.35,42.25 52.35,41.9 53.25,41 60.25,41 R28.2@60.25,40.5
D_GATE: J4.17 P7.3 | length 53
  TOP w0.2: J4.17@29.684,85.25 30.893,85.25 31.99,86.347 49.466,86.347 50.108,85.705 50.108,84.392 50.75,83.75 53.404,83.75 63,74.154 63,67 64.998,65.002 64.998,63.002 P7.3@66,62
DIS_TRANS_UART: J4.23 P8.11 S3.5 | length 65.2
  TOP w0.2: P8.11@10.5,50 10.5,47.25 S3.5@13.75,44 ; v1(35.25,77.25) 38.5,77.25 38.881,77.631 43.206,81.955 43.206,82.337 46.119,85.25 J4.23@46.25,85.25
  BOT w0.2: P8.11@10.5,50 11.533,51.033 12,51.5 12,64 24.448,76.448 ; 24.484,76.516 25.166,77.198 35.198,77.198 v1(35.25,77.25)
EPS_MOSI_A/TX: J4.3 P5_eps_pgm.2 P5_eps_pgm.4 P6_eps_pgm.4 R15.2 U6_uart_leds.10 | length 88.9
  TOP w0.2: v1(24.75,54) 29.75,54 30.5,53.25 ; v1(24.75,62) 24.75,62.318 24.421,62.648 24.421,80.921 25.542,82.043 J4.3@25.542,82.41 ; P6_eps_pgm.4@30.25,25.25 P6_eps_pgm.4@30.29,25.29 ; P6_eps_pgm.4@30.5,25.25 31.5,26.25 39.52,26.25 P5_eps_pgm.2@40.48,25.29 ; U6_uart_leds.10@30.5,49.25 30.5,47.75 47.75,30.5 v1(47.75,25.25) ; U6_uart_leds.10@30.5,50.25 30.5,53.25 ; R15.2@31.25,52.75 31,52.75 30.5,53.25 ; P5_eps_pgm.2@40.5,25.25 40.54,25.29 P5_eps_pgm.4@43.02,25.29
  BOT w0.2: v1(24.75,54) v1(24.75,62) ; P5_eps_pgm.4@43.405,24.905 43.375,24.875 43,25.25 v1(47.75,25.25)
EPS_RST: J4.5 P8.8 R14.1 S1_eps_pgm.5 U6_uart_leds.14 | length 103.8
  TOP w0.2: P8.8@13,55 14,55 16.25,52.75 26.5,52.75 ; R14.1@27,52.25 26.5,52.75 ; v1(27.5,74.25) 27.5,78.5 31.064,82.064 J4.5@31.064,82.41 ; U6_uart_leds.14@27.75,49.25 27.75,48.25 28.5,47.5 29.753,47.5 46.75,30.503 46.75,30.5 47.045,30.205 47.045,26.045 ; U6_uart_leds.14@27.75,50.25 27.75,52.5 27.5,52.75 26.5,52.75 ; S1_eps_pgm.5@40.25,14 42.196,14 43.231,15.034 44.284,15.034 46.398,17.148 46.398,25.396 47,25.998
  BOT w0.2: P8.8@13,55.25 14.869,57.119 14.869,64.837 24.282,74.25 v1(27.5,74.25)
EPS_SCK_A/RX: J4.4 P8.6 R16.2 S1_eps_pgm.2 U6_uart_leds.12 | length 99.4
  TOP w0.2: P8.6@13.044,57.71 13.044,56.675 16.469,53.25 28.75,53.25 29,53 ; v1(26.75,75) 26.75,81 J4.4@28.25,82.5 ; U6_uart_leds.12@29,50.25 29,53 ; U6_uart_leds.12@29.1,49.65 29.1,48.369 29.521,47.948 29.804,47.948 47.398,30.354 47.398,25.898 46.75,25.25 46.75,17 S1_eps_pgm.2@43.75,14 ; R16.2@29.75,52.7 29.3,52.7 29,53
  BOT w0.2: P8.6@13.044,57.71 13.044,58.794 14.5,60.25 ; 14.517,60.25 14.517,64.983 24.533,75 v1(26.75,75)